# Altium PCB Board_Design.PcbDoc (part 1 of 3) (continued)
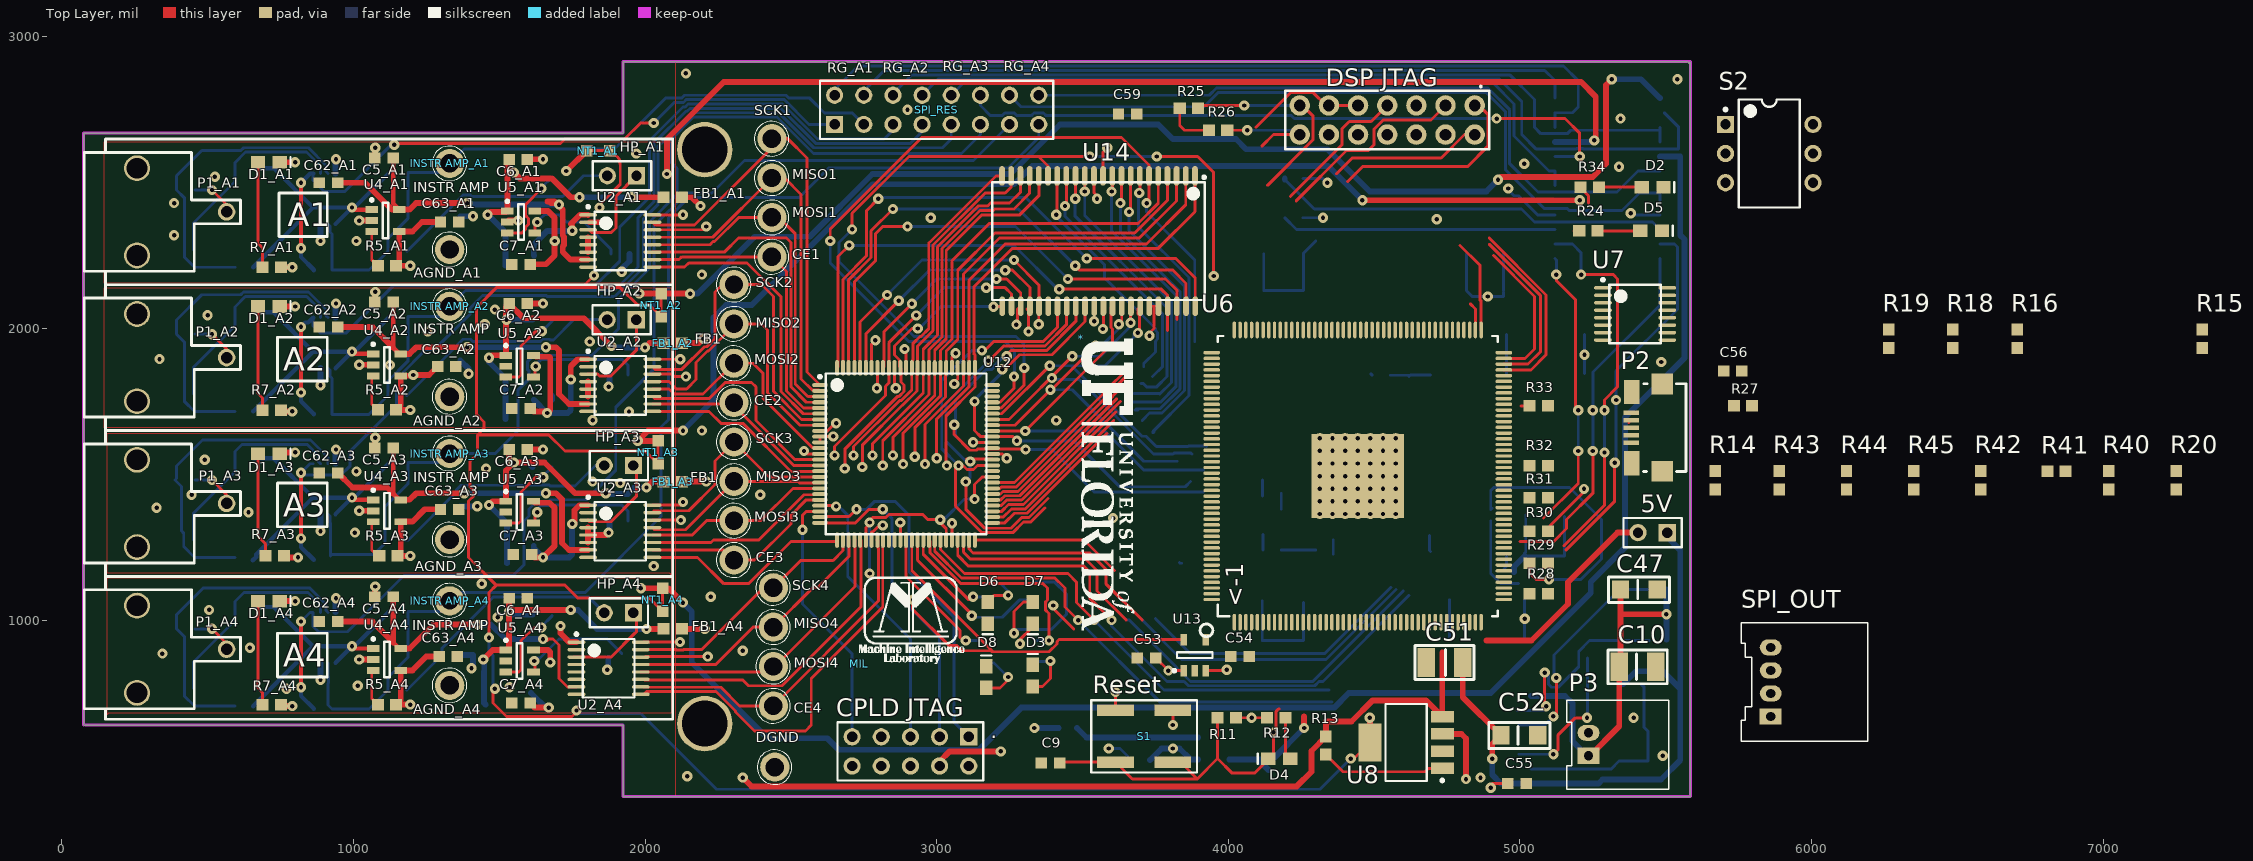
[diagram p0: Top Layer view]
## Components (designator, comment, footprint, x,y, rotation, side; value= is the part's Value field where it differs from the comment) (continued)
C61_A2 "Cap" CAPC0603 1485,1830 r180 bottom (schematic designator C61)
C61_A3 "Cap" CAPC0603 1495,1320 r180 bottom (schematic designator C61)
C61_A4 "Cap" CAPC0603 1480,825 r0 bottom (schematic designator C61)
C62_A1 "Cap" CAPC0603 915,2500 r180 top (schematic designator C62)
C62_A2 "Cap" CAPC0603 915,2005 r180 top (schematic designator C62)
C62_A3 "Cap" CAPC0603 915,1505 r180 top (schematic designator C62)
C62_A4 "Cap" CAPC0603 915,995 r180 top (schematic designator C62)
C63_A1 "Cap" CAPC0603 1330,2365 r0 top (schematic designator C63)
C63_A2 "Cap" CAPC0603 1320,1870 r0 top (schematic designator C63)
C63_A3 "Cap" CAPC0603 1330,1380 r0 top (schematic designator C63)
C63_A4 "Cap" CAPC0603 1325,875 r0 top (schematic designator C63)
CE1 "Test_Point" TP#1 2435,2245 r90 top
CE2 "Test_Point" TP#1 2305,1745 r90 top
CE3 "Test_Point" TP#1 2305,1205 r90 top
CE4 "Test_Point" TP#1 2440,705 r90 top
"CPLD JTAG" "Header 5X2" HDR2X5 3110,600 r180 top
D1_A1 "LED-RED" LED0805-RED 710,2570.21 r180 top (schematic designator D1)
D1_A2 "LED-RED" LED0805-RED 710,2075.73 r180 top (schematic designator D1)
D1_A3 "LED-RED" LED0805-RED 710,1570.21 r180 top (schematic designator D1)
D1_A4 "LED-RED" LED0805-RED 710,1065.21 r180 top (schematic designator D1)
D2 "LED-RED" LED0805-RED 5455,2485 r180 top
D3 "LED-RED" LED0805-RED 3330,810 r270 top
D4 "LED-RED" LED0805-RED 4175,525.21 r0 top
D5 "LED-RED" LED0805-RED 5450,2335 r180 top
D6 "LED-RED" LED0805-RED 3175,1025 r90 top
D7 "LED-RED" LED0805-RED 3330,1025 r90 top
D8 "LED-RED" LED0805-RED 3170,805 r270 top
DGND "Test_Point" TP#1 2445,495 r90 top
DNP_A1 "Res" RES0603 895,2200.21 r0 bottom (schematic designator DNP)
DNP_A2 "Res" RES0603 895,1705.73 r0 bottom (schematic designator DNP)
DNP_A3 "Res" RES0603 890,1220.21 r0 bottom (schematic designator DNP)
DNP_A4 "Res" RES0603 895,695.21 r0 bottom (schematic designator DNP)
"DSP JTAG" "JTAG HEADER" "JTAG HEADER - 14" 4845,2765 r180 top
FB1_A1 "FBead" RES0603 2095,2450 r180 top (schematic designator FB1)
FB1_A2 "FBead" RES0603 2095,1950 r180 top (schematic designator FB1)
FB1_A3 "FBead" RES0603 2095,1475 r180 top (schematic designator FB1)
FB1_A4 "FBead" RES0603 2095,970 r180 top (schematic designator FB1)
HP_A1 "Header 2" HDR1X2 1970.73,2523.9 r180 top (schematic designator HP)
HP_A2 "Header 2" HDR1X2 1970,2030.21 r180 top (schematic designator HP)
HP_A3 "Header 2" HDR1X2 1960,1530.21 r180 top (schematic designator HP)
HP_A4 "Header 2" HDR1X2 1960,1025.21 r180 top (schematic designator HP)
"INSTR AMP_A1" "Test_Point" TP#1 1330,2565.21 r90 top (schematic designator "INSTR AMP")
"INSTR AMP_A2" "Test_Point" TP#1 1330,2075.21 r90 top (schematic designator "INSTR AMP")
"INSTR AMP_A3" "Test_Point" TP#1 1330,1570.21 r90 top (schematic designator "INSTR AMP")
"INSTR AMP_A4" "Test_Point" TP#2 1330,1065.21 r90 top (schematic designator "INSTR AMP")
MIL "MIL LOGO" "MIL LOGO - 500" 2735,850 r0 top
MISO1 "Test_Point" TP#1 2435,2515 r90 top
MISO2 "Test_Point" TP#1 2305,2015 r90 top
MISO3 "Test_Point" TP#1 2305,1475 r90 top
MISO4 "Test_Point" TP#1 2440,975 r90 top
MOSI1 "Test_Point" TP#1 2435,2380 r90 top
MOSI2 "Test_Point" TP#1 2305,1880 r90 top
MOSI3 "Test_Point" TP#1 2305,1340 r90 top
MOSI4 "Test_Point" TP#1 2440,840 r90 top
NT1_A1 "NetTie" NT_5MIL 1840,2610 r0 top net-tie (schematic designator NT1)
NT1_A2 "NetTie" NT_5MIL 2055,2080.21 r270 top net-tie (schematic designator NT1)
NT1_A3 "NetTie" NT_5MIL 2045,1575.21 r270 top net-tie (schematic designator NT1)
NT1_A4 "NetTie" NT_5MIL 2060,1070.21 r270 top net-tie (schematic designator NT1)
P1_A1 "BNC" "BNC CONNECTOR" 565,2400.21 r0 top (schematic designator P1)
P1_A2 "BNC" "BNC CONNECTOR" 565,1900.21 r0 top (schematic designator P1)
P1_A3 "BNC" "BNC CONNECTOR" 565,1400.21 r0 top (schematic designator P1)
P1_A4 "BNC" "BNC CONNECTOR" 565,900.21 r0 top (schematic designator P1)
P2 "USB Micro" 10118192-0001LF 5360,1660 r90 top
P3 "2-pin Horz Sherlock" MOLEX-HDR-1X2-SHERLOCK-HORZ 5235,535 r270 top
R1_A1 "Res" RES0603 625,2550.21 r180 bottom (schematic designator R1)
R1_A2 "Res" RES0603 625,2055.73 r180 bottom (schematic designator R1)
R1_A3 "Res" RES0603 625,1545.21 r180 bottom (schematic designator R1)
R1_A4 "Res" RES0603 625,1045.21 r180 bottom (schematic designator R1)
R2_A1 "Res" RES0603 625,2210.21 r0 bottom (schematic designator R2)
R2_A2 "Res" RES0603 625,1715.73 r0 bottom (schematic designator R2)
R2_A3 "Res" RES0603 630,1215.21 r0 bottom (schematic designator R2)
R2_A4 "Res" RES0603 625,705.21 r0 bottom (schematic designator R2)
R3_A1 "Res" RES0603 1335,2385.21 r180 bottom (schematic designator R3)
R3_A2 "Res" RES0603 1335,1890.73 r180 bottom (schematic designator R3)
R3_A3 "Res" RES0603 1335,1390.21 r180 bottom (schematic designator R3)
R3_A4 "Res" RES0603 1335,880.21 r180 bottom (schematic designator R3)
R4_A1 "Res" RES0603 1155,2535.21 r0 bottom (schematic designator R4)
R4_A2 "Res" RES0603 1155,2040.73 r0 bottom (schematic designator R4)
R4_A3 "Res" RES0603 1155,1540.21 r0 bottom (schematic designator R4)
R4_A4 "Res" RES0603 1155,1030.21 r0 bottom (schematic designator R4)
R5_A1 "Res" RES0603 1115,2215.21 r0 top (schematic designator R5)
R5_A2 "Res" RES0603 1115,1720.73 r0 top (schematic designator R5)
R5_A3 "Res" RES0603 1120,1220.21 r0 top (schematic designator R5)
R5_A4 "Res" RES0603 1115,710.21 r0 top (schematic designator R5)
R6 "Res" RES0603 4225,2380 r0 bottom
R7_A1 "Res" RES0603 720,2210.21 r180 top (schematic designator R7)
R7_A2 "Res" RES0603 720,1720.21 r180 top (schematic designator R7)
R7_A3 "Res" RES0603 730,1220.21 r180 top (schematic designator R7)
R7_A4 "Res" RES0603 720,709.7 r180 top (schematic designator R7)
R8_A1 "Res" RES0603 1650,2525 r180 bottom (schematic designator R8)
R8_A2 "Res" RES0603 1645,2030.21 r180 bottom (schematic designator R8)
R8_A3 "Res" RES0603 1645,1525.21 r180 bottom (schematic designator R8)
R8_A4 "Res" RES0603 1645,1019.7 r180 bottom (schematic designator R8)
R9 "Res" RES0603 4225,2515 r180 bottom
R10 "Res" RES0603 5470.98,1105 r180 bottom
R11 "Res" RES0603 3995,665.21 r180 top
R12 "Res" RES0603 4165,665.21 r0 top
R13 "Res" RES0603 4335,570 r270 top
R14 "Res" RES0603 5670,1480 r90 top
R15 "Res" RES0603 7340,1965 r90 top
R16 "Res" RES0603 6705,1965 r90 top
R17 "Res" RES0603 5475,930 r180 bottom
R18 "Res" RES0603 6485,1965 r90 top
R19 "Res" RES0603 6265,1965 r90 top
R20 "Res" RES0603 7250,1480 r90 top
R21 "Res" RES0603 5310,1105 r180 bottom
R22 "Res" RES0603 5340,485 r90 bottom
R23 "Res" RES0603 5470,620 r0 bottom
R24 "Res" RES0603 5235,2335 r180 top
R25 "Res" RES0603 3865,2755 r0 top
R26 "Res" RES0603 3965,2680 r0 top
R27 "Res" RES0603 5765,1735 r180 top
R28 "Res" RES0603 5065,1090 r180 top
R29 "Res" RES0603 5065,1195 r180 top
R30 "Res" RES0603 5065,1305 r180 top
R31 "Res" RES0603 5065,1420 r180 top
R32 "Res" RES0603 5065,1530 r180 top
R33 "Res" RES0603 5065,1735 r180 top
R34 "Res" RES0603 5240,2485 r180 top
R35 "Res" RES0603 3330,890 r270 bottom
R36 "Res" RES0603 3175,1095 r90 bottom
R37 "Res" RES0603 3330,1100 r90 bottom
R38 "Res" RES0603 3170,885 r90 bottom
R39 "Res" RES0603 3450,630 r0 bottom
R40 "Res" RES0603 7020,1480 r90 top
R41 "Res" RES0603 6840,1510 r0 top
R42 "Res" RES0603 6580,1480 r90 top
R43 "Res" RES0603 5890,1480 r90 top
R44 "Res" RES0603 6120,1480 r90 top
R45 "Res" RES0603 6350,1480 r90 top
S1 "PBSW" PBSW 3810,690.21 r180 top
S2 "SW DIP-3" DIP-6 5855,2600 r0 top
SCK1 "Test_Point" TP#1 2435,2650 r90 top
SCK2 "Test_Point" TP#1 2305,2150 r90 top
SCK3 "Test_Point" TP#1 2305,1610 r90 top
SCK4 "Test_Point" TP#1 2440,1110 r90 top
SPI_OUT "MOLEX-HDR-1x4-SHERLOCK_RA" MOLEX-HDR-1X4-SHERLOCK-RA 5860,670 r270 top
SPI_RES "Header 8X2" HDR2X8 2650,2700 r0 top
U1_A1 "Inst. Amp" TSSOP-8n 900,2445.21 r270 bottom (schematic designator U1)
U1_A2 "Inst. Amp" TSSOP-8n 900,1950.21 r270 bottom (schematic designator U1)
U1_A3 "Inst. Amp" TSSOP-8n 900,1449.7 r270 bottom (schematic designator U1)
U1_A4 "Inst. Amp" TSSOP-8n 900,939.7 r270 bottom (schematic designator U1)
U2_A1 "ADC 16bit 500k" TSSOP-16pin 1915,2300.21 r0 top (schematic designator U2)
U2_A2 "ADC 16bit 500k" TSSOP-16pin 1915,1805.21 r0 top (schematic designator U2)
U2_A3 "ADC 16bit 500k" TSSOP-16pin 1915,1304.7 r0 top (schematic designator U2)
U2_A4 "ADC 16bit 500k" TSSOP-16pin 1875,835 r0 top (schematic designator U2)
U3 "AD8403" SOIC-24n 5300,2515 r180 bottom
U4_A1 "REF2041" SOT23-5 1110,2370.21 r0 top (schematic designator U4)
U4_A2 "REF2041" SOT23-5 1115,1875.21 r0 top (schematic designator U4)
U4_A3 "REF2041" SOT23-5 1115,1374.7 r0 top (schematic designator U4)
U4_A4 "REF2041" SOT23-5 1115,864.7 r0 top (schematic designator U4)
U5_A1 "LDO 4.2V" SOT23-5 1575,2365.21 r0 top (schematic designator U5)
U5_A2 "LDO 4.2V" sot23-5 1570,1870.73 r0 top (schematic designator U5)
U5_A3 "LDO 4.2V" sot23-5 1570,1370.21 r0 top (schematic designator U5)
U5_A4 "LDO 4.2V" sot23-5 1570,860.21 r0 top (schematic designator U5)
U6 "F28377S" Tqfp-176 4445,1495 r90 top
U7 "FT121T-R" TSSOP-16pin 5395,2050 r0 top
U8 "3.3V LDO REG" SOT223-8N 4610,580.21 r180 top
U9 "LMZ14201h" TO-PMOD-7 4710,590 r270 bottom
U12 "CPLD" TQFP-100 2895,1570 r0 top
U13 "1.8V LDO" SOT23-5n 3885,880 r90 top
U14 "4MB SRAM" TSOP-44 3555,2300 r270 top
U15 "1.2V LDO" sot23-5n 3950,560 r0 bottom

## Footprints (in the part's own frame and the unit in brackets; to place one, negate y for a bottom-side part, rotate by r counter-clockwise, add the part's x,y. Pads: shape width x height; smd on the part's side, far side on the other; paste and mask are expansions set on the pad)
10118192-0001LF [mm] "USB Micro-B Recepticle"
  rect 0.4x1.35 smd: 1(-1.3,-0.533) 2(-0.65,-0.533) 3(0,-0.533) 4(0.65,-0.533) 5(1.3,-0.533)
  rect 1.8x1.9 smd: SHD(-3.8,-3.248) SHD(3.8,-3.248)
  rect 2.1x1.35 smd: SHD(-3.1,-0.584) SHD(3.1,-0.598)
  silkscreen extent -3.83,-5.33 3.83,-1.63, body extent -3.96,-5.98 3.96,-0.32, height 3.09
"BNC CONNECTOR" [mm] "For WM5524-ND"
  round 1.524 hole 1: 1(0,0)
  round 2.25 hole 1.8: 2(-7.8,-3.8) 3(-7.8,3.8)
  silkscreen extent -12.4,-5.18 1.22,5.18
CAP1206 [mm]
  rect 1.5x1.6 smd: 1(0,0) 2(-3.2,0)
  silkscreen extent -4.27,-1.1 1.06,1.13, body extent -3.2,-0.9 0.02,0.9, height 1.6
CAP1210 [mm]
  rect 1.5x2.5 smd: 1(-0.02,0) 2(-3.2,0)
  silkscreen extent -4.2,-1.48 0.97,1.48, body extent -3.22,-1.25 0,1.26, height 2.5
CAPC0603 [mm] "Chip Capacitor, 2-Leads, Body 1.60x0.80mm, IPC Medium Density"
  rect 1x0.95 smd: 1(-0.8,0) 2(0.8,0)
  body extent -0.88,-0.48 0.87,0.48, height 0.8
DIP-6 [mm] "DIP; 6 Leads; Row Spacing 7.62 mm; Pitch 2.54 mm"
  rect 1.5x1.5 hole 0.9: 1(-3.81,2.54)
  round 1.5 hole 0.9: 2(-3.81,0) 3(-3.81,-2.54) 4(3.81,-2.54) 5(3.81,0) 6(3.81,2.54)
  silkscreen extent -3.93,-4.7 2.65,4.7, body extent -3.55,-4.7 3.55,4.7, height 5.46
HDR1X2 [mm] "Connector; Header; 2 Position"
  rect 1.5x1.5 hole 0.9: 1(0,0)
  round 1.5 hole 0.9: 2(2.54,0)
  silkscreen extent -1.27,-1.27 3.81,1.27
HDR2X5 [mm] "Connector; Header; 5x2 Position"
  rect 1.5x1.5 hole 0.9: 1(0,0)
  round 1.5 hole 0.9: 2(0,2.54) 3(2.54,0) 4(2.54,2.54) 5(5.08,0) 6(5.08,2.54) 7(7.62,0) 8(7.62,2.54) 9(10.16,0) 10(10.16,2.54)
  silkscreen extent -1.27,-1.27 11.43,3.81
HDR2X8 [mm] "Connector; Header; 8x2 Position"
  rect 1.5x1.5 hole 0.9: 1(0,0)
  round 1.5 hole 0.9: 2(0,2.54) 3(2.54,0) 4(2.54,2.54) 5(5.08,0) 6(5.08,2.54) 7(7.62,0) 8(7.62,2.54) 9(10.16,0) 10(10.16,2.54) 11(12.7,0) 12(12.7,2.54) 13(15.24,0) 14(15.24,2.54) 15(17.78,0) 16(17.78,2.54)
  silkscreen extent -1.27,-1.27 19.05,3.81
"JTAG HEADER - 14" [mil]
  round 70 hole 40: 1(0,0) 2(0,100) 3(100,0) 4(100,100) 5(200,0) 6(200,100) 7(300,0) 8(300,100) 9(400,0) 10(400,100) 11(500,0) 12(500,100) 13(600,0) 14(600,100)
  silkscreen extent -50,-66 650,150, body extent -50,-50 650,150, height 234
LED0805-RED [mm] "Molded Diode, 2-Leads, Body 2.0x1.3mm, IPC Medium Density"
  rect 1.25x1.1 smd: 1(-0.95,0) 2(0.95,0)
  silkscreen extent -1.88,-0.45 -1.88,0.45, body extent -1.01,-0.62 1.01,0.63, height 1.1
"MIL LOGO - 500" [mil]
  silkscreen extent 0,0 359,299
MOLEX-HDR-1X2-SHERLOCK-HORZ [mm]
  rect 1.397x1.905 hole 0.8: 1(0,0)
  oval 1.397x1.905 hole 0.8: 2(-2,0)
  silkscreen extent -4.83,-1.91 2.92,6.98, body extent -4.83,-1.91 2.87,8.59, height 5.54
MOLEX-HDR-1X4-SHERLOCK-RA [mm]
  rect 1.397x1.905 hole 0.8: 1(0,0)
  oval 1.397x1.905 hole 0.8: 2(-2,0) 3(-4,0) 4(-6,0)
  silkscreen extent -8.15,-2.55 2.15,8.46, body extent -8.17,-1.98 2.13,8.52, height 5.54
NT_5MIL [mm] "Thin Net Tie"
  rect 1x1 smd paste+0 mask+0: 1(-1,0) 2(1,0)
  Top Layer lines w0.254: -1,0 1,0
PBSW [mm]
  rect 3.2x1 smd: 1(0,0) 2(5,0) 3(5,4.5) 4(0,4.5)
  silkscreen extent -2.1,-0.9 7.1,5.4, body extent -2,-0.75 7,5.25, height 5
RES0603 [mm] "Chip Resistor, 2-Leads, Body 1.60x0.80mm, IPC Medium Density"
  rect 1.05x1 smd: 1(-0.8,0) 2(0.8,0)
  body extent -0.88,-0.48 0.87,0.47, height 0.8
SOIC-24n [mm]
  oval 2.3x0.6 smd: 1(-4.575,6.985) 2(-4.575,5.715) 3(-4.575,4.445) 4(-4.575,3.175) 5(-4.575,1.905) 6(-4.575,0.635) 7(-4.575,-0.635) 8(-4.575,-1.905) 9(-4.575,-3.175) 10(-4.575,-4.445) 11(-4.575,-5.715) 12(-4.575,-6.985) 13(4.575,-6.985) 14(4.575,-5.715) 15(4.575,-4.445) 16(4.575,-3.175) 17(4.575,-1.905) 18(4.575,-0.635) 19(4.575,0.635) 20(4.575,1.905) 21(4.575,3.175) 22(4.575,4.445) 23(4.575,5.715) 24(4.575,6.985)
  silkscreen extent -4.7,-7.8 3.8,7.96, body extent -3.8,-7.8 3.8,7.8, height 1.2
SOT23-5 [mm] "Used for LP2992"
  rect 1.1x0.6 smd: 1(-1.2,0.95) 2(-1.2,0) 3(-1.2,-0.95) 4(1.2,-0.95) 5(1.2,0.95)
  silkscreen extent -1.32,-1.55 0.25,1.92, body extent -0.87,-1.52 0.87,1.53, height 0.25
sot23-5 [mm] "Used for LP2992"
  rect 1.1x0.6 smd: 1(-1.2,0.95) 2(-1.2,0) 3(-1.2,-0.95) 4(1.2,-0.95) 5(1.2,0.95)
  silkscreen extent -1.32,-1.55 0.25,1.92, body extent -0.87,-1.52 0.87,1.53, height 0.25
SOT23-5n [mm] "For LP5907"
  rect 1x0.55 smd: 1(-1.35,0.95) 2(-1.35,0) 3(-1.35,-0.95) 4(1.35,-0.95) 5(1.35,0.95)
  silkscreen extent -1.47,-1.55 0.25,1.9, body extent -0.87,-1.52 0.87,1.53, height 1.45
sot23-5n [mm] "For LP5907"
  rect 1x0.55 smd: 1(-1.35,0.95) 2(-1.35,0) 3(-1.35,-0.95) 4(1.35,-0.95) 5(1.35,0.95)
  silkscreen extent -1.47,-1.55 0.25,1.9, body extent -0.87,-1.52 0.87,1.53, height 1.45
SOT223-8N [mm] "3.3V LDO"
  rect 2x1 smd: 1(-3.15,2.25) 2(-3.15,0.75) 3(-3.15,-0.75) 4(-3.15,-2.25)
  rect 2x3.3 smd: 5(3.15,0)
  silkscreen extent -3.27,-3.35 1.8,3.42, body extent -1.85,-3.35 1.85,3.35, height 1.8
TO-PMOD-7 [mm] "For LMZ14201h"
  rect 0.89x3.06 smd: 1(-3.81,-7.305) 2(-2.54,-7.305) 3(-1.27,-7.305) 4(0,-7.305) 5(1.27,-7.305) 6(2.54,-7.305) 7(3.81,-7.305)
  rect 5.35x8.54 smd: 8(0,0)
  body extent -4.83,-5.74 4.9,4.41, height 5
TP#1 [mm]
  round 2.54 hole 1.6: 1(0.025,0)
  silkscreen extent -1.49,-1.49 1.54,1.53, body extent -1.59,-1.59 1.59,1.59, height 5.58
TP#2 [mm]
  round 2.54 hole 1.5: 1(0.025,0)
  silkscreen extent -1.49,-1.49 1.54,1.53, body extent -1.59,-1.59 1.59,1.59, height 5.58
TQFP-100 [mm] "Used For Altera Max II CPLD"
  oval 1.35x0.35 smd: 1(-7.5,6) 2(-7.5,5.5) 3(-7.5,5) 4(-7.5,4.5) 5(-7.5,4) 6(-7.5,3.5) 7(-7.5,3) 8(-7.5,2.5) 9(-7.5,2) 10(-7.5,1.5) 11(-7.5,1) 12(-7.5,0.5) 13(-7.5,0) 14(-7.5,-0.5) 15(-7.5,-1) 16(-7.5,-1.5) 17(-7.5,-2) 18(-7.5,-2.5) 19(-7.5,-3) 20(-7.5,-3.5) 21(-7.5,-4) 22(-7.5,-4.5) 23(-7.5,-5) 24(-7.5,-5.5) 25(-7.5,-6) 51(7.5,-6) 52(7.5,-5.5) 53(7.5,-5) 54(7.5,-4.5) 55(7.5,-4) 56(7.5,-3.5) 57(7.5,-3) 58(7.5,-2.5) 59(7.5,-2) 60(7.5,-1.5) 61(7.5,-1) 62(7.5,-0.5) 63(7.5,0) 64(7.5,0.5) 65(7.5,1) 66(7.5,1.5) 67(7.5,2) 68(7.5,2.5) 69(7.5,3) 70(7.5,3.5) 71(7.5,4) 72(7.5,4.5) 73(7.5,5) 74(7.5,5.5) 75(7.5,6)
  oval 0.35x1.35 smd: 26(-6,-7.5) 27(-5.5,-7.5) 28(-5,-7.5) 29(-4.5,-7.5) 30(-4,-7.5) 31(-3.5,-7.5) 32(-3,-7.5) 33(-2.5,-7.5) 34(-2,-7.5) 35(-1.5,-7.5) 36(-1,-7.5) 37(-0.5,-7.5) 38(0,-7.5) 39(0.5,-7.5) 40(1,-7.5) 41(1.5,-7.5) 42(2,-7.5) 43(2.5,-7.5) 44(3,-7.5) 45(3.5,-7.5) 46(4,-7.5) 47(4.5,-7.5) 48(5,-7.5) 49(5.5,-7.5) 50(6,-7.5) 76(6,7.5) 77(5.5,7.5) 78(5,7.5) 79(4.5,7.5) 80(4,7.5) 81(3.5,7.5) 82(3,7.5) 83(2.5,7.5) 84(2,7.5) 85(1.5,7.5) 86(1,7.5) 87(0.5,7.5) 88(0,7.5) 89(-0.5,7.5) 90(-1,7.5) 91(-1.5,7.5) 92(-2,7.5) 93(-2.5,7.5) 94(-3,7.5) 95(-3.5,7.5) 96(-4,7.5) 97(-4.5,7.5) 98(-5,7.5) 99(-5.5,7.5) 100(-6,7.5)
  silkscreen extent -7.62,-7 7,7, body extent -7,-7 7,7, height 1.2
Tqfp-176 [mm] "For TMS320F28377sPTP"
  oval 1.45x0.3 smd paste+0 mask+0.051: 1(-12.75,10.775) 2(-12.75,10.275) 3(-12.75,9.775) 4(-12.75,9.275) 5(-12.75,8.775) 6(-12.75,8.275) 7(-12.75,7.775) 8(-12.75,7.275) 9(-12.75,6.775) 10(-12.75,6.275) 11(-12.75,5.775) 12(-12.75,5.275) 13(-12.75,4.775) 14(-12.75,4.275) 15(-12.75,3.775) 16(-12.75,3.275) 17(-12.75,2.775) 18(-12.75,2.275) 19(-12.75,1.775) 20(-12.75,1.275) 21(-12.75,0.775) 22(-12.75,0.275) 23(-12.75,-0.225) 24(-12.75,-0.725) 25(-12.75,-1.225) 26(-12.75,-1.725) 27(-12.75,-2.225) 28(-12.75,-2.725) 29(-12.75,-3.225) 30(-12.75,-3.725) 31(-12.75,-4.225) 32(-12.75,-4.725) 33(-12.75,-5.225) 34(-12.75,-5.725) 35(-12.75,-6.225) 36(-12.75,-6.725) 37(-12.75,-7.225) 38(-12.75,-7.725) 39(-12.75,-8.225) 40(-12.75,-8.725) 41(-12.75,-9.225) 42(-12.75,-9.725) 43(-12.75,-10.225) 44(-12.75,-10.725) 89(12.7,-10.725) 90(12.7,-10.225) 91(12.7,-9.725) 92(12.7,-9.225) 93(12.7,-8.725) 94(12.7,-8.225) 95(12.7,-7.725) 96(12.7,-7.225) 97(12.7,-6.725) 98(12.7,-6.225) 99(12.7,-5.725) 100(12.7,-5.225) 101(12.7,-4.725) 102(12.7,-4.225) 103(12.7,-3.725) 104(12.7,-3.225) 105(12.7,-2.725) 106(12.7,-2.225) 107(12.7,-1.725) 108(12.7,-1.225) 109(12.7,-0.725) 110(12.7,-0.225) 111(12.7,0.275) 112(12.7,0.775) 113(12.7,1.275) 114(12.7,1.775) 115(12.7,2.275) 116(12.7,2.775) 117(12.7,3.275) 118(12.7,3.775) 119(12.7,4.275) 120(12.7,4.775) 121(12.7,5.275) 122(12.7,5.775) 123(12.7,6.275) 124(12.7,6.775) 125(12.7,7.275) 126(12.7,7.775) 127(12.7,8.275) 128(12.7,8.775) 129(12.7,9.275) 130(12.7,9.775) 131(12.7,10.275) 132(12.7,10.775)
  oval 0.3x1.45 smd paste+0 mask+0.051: 45(-10.775,-12.7) 46(-10.275,-12.7) 47(-9.775,-12.7) 48(-9.275,-12.7) 49(-8.775,-12.7) 50(-8.275,-12.7) 51(-7.775,-12.7) 52(-7.275,-12.7) 53(-6.775,-12.7) 54(-6.275,-12.7) 55(-5.775,-12.7) 56(-5.275,-12.7) 57(-4.775,-12.7) 58(-4.275,-12.7) 59(-3.775,-12.7) 60(-3.275,-12.7) 61(-2.775,-12.7) 62(-2.275,-12.7) 63(-1.775,-12.7) 64(-1.275,-12.7) 65(-0.775,-12.7) 66(-0.275,-12.7) 67(0.225,-12.7) 68(0.725,-12.7) 69(1.225,-12.7) 70(1.725,-12.7) 71(2.225,-12.7) 72(2.725,-12.7) 73(3.225,-12.7) 74(3.725,-12.7) 75(4.225,-12.7) 76(4.725,-12.7) 77(5.225,-12.7) 78(5.725,-12.7) 79(6.225,-12.7) 80(6.725,-12.7) 81(7.225,-12.7) 82(7.725,-12.7) 83(8.225,-12.7) 84(8.725,-12.7) 85(9.225,-12.7) 86(9.725,-12.7) 87(10.225,-12.7) 88(10.725,-12.7) 133(10.725,12.75) 134(10.225,12.75) 135(9.725,12.75) 136(9.225,12.75) 137(8.725,12.75) 138(8.225,12.75) 139(7.725,12.75) 140(7.225,12.75) 141(6.725,12.75) 142(6.225,12.75) 143(5.725,12.75) 144(5.225,12.75) 145(4.725,12.75) 146(4.225,12.75) 147(3.725,12.75) 148(3.225,12.75) 149(2.725,12.75) 150(2.225,12.75) 151(1.725,12.75) 152(1.225,12.75) 153(0.725,12.75) 154(0.225,12.75) 155(-0.275,12.75) 156(-0.775,12.75) 157(-1.275,12.75) 158(-1.775,12.75) 159(-2.275,12.75) 160(-2.775,12.75) 161(-3.275,12.75) 162(-3.775,12.75) 163(-4.275,12.75) 164(-4.775,12.75) 165(-5.275,12.75) 166(-5.775,12.75) 167(-6.275,12.75) 168(-6.775,12.75) 169(-7.275,12.75) 170(-7.775,12.75) 171(-8.275,12.75) 172(-8.775,12.75) 173(-9.275,12.75) 174(-9.775,12.75) 175(-10.275,12.75) 176(-10.775,12.75)
  rect 7.33x8.07 smd paste+0 mask+0.051: 177(-0.025,0.025)
  round 0.889 hole 0.381 mask+0.051: V(-3.325,-3.275) V(-3.325,-2.175) V(-3.325,-1.075) V(-3.325,0.025) V(-3.325,1.125) V(-3.325,2.225) V(-3.325,3.325) V(-2.225,3.325) V(-2.225,-2.175) V(-2.225,-1.075) V(-2.225,0.025) V(-2.225,1.125) V(-2.225,2.225) V(-2.225,-3.275) V(-1.125,2.225) V(-1.125,3.325) V(-1.125,-1.075) V(-1.125,0.025) V(-1.125,1.125) V(-1.125,-3.275) V(-1.125,-2.175) V(-0.025,3.325) V(-0.025,2.225) V(-0.025,1.125) V(-0.025,0.025) V(-0.025,-1.075) V(-0.025,-2.175) V(-0.025,-3.275) V(1.075,2.225) V(1.075,3.325) V(1.075,-1.075) V(1.075,0.025) V(1.075,1.125) V(1.075,-3.275) V(1.075,-2.175) V(2.175,3.325) V(2.175,-2.175) V(2.175,-1.075) V(2.175,0.025) V(2.175,1.125) V(2.175,2.225) V(2.175,-3.275) V(3.275,-3.275) V(3.275,-2.175) V(3.275,-1.075) V(3.275,0.025) V(3.275,1.125) V(3.275,2.225) V(3.275,3.325)
  silkscreen extent -14.02,-12.17 12.17,13.76, body extent -12.37,-12.27 12.19,12.34, height 1.5
TSOP-44 [mm] "For Cypress 4MB SRAM"
  oval 1.7x0.5 smd: 1(-5.677,8.4) 2(-5.677,7.6) 3(-5.677,6.8) 4(-5.677,6) 5(-5.677,5.2) 6(-5.677,4.4) 7(-5.677,3.6) 8(-5.677,2.8) 9(-5.677,2) 10(-5.677,1.2) 11(-5.677,0.4) 12(-5.677,-0.4) 13(-5.677,-1.2) 14(-5.677,-2) 15(-5.677,-2.8) 16(-5.677,-3.6) 17(-5.677,-4.4) 18(-5.677,-5.2) 19(-5.677,-6) 20(-5.677,-6.8) 21(-5.677,-7.6) 22(-5.677,-8.4) 23(5.677,-8.375) 24(5.677,-7.575) 25(5.677,-6.775) 26(5.677,-5.975) 27(5.677,-5.175) 28(5.677,-4.375) 29(5.677,-3.575) 30(5.677,-2.775) 31(5.677,-1.975) 32(5.677,-1.175) 33(5.677,-0.375) 34(5.677,0.425) 35(5.677,1.225) 36(5.677,2.025) 37(5.677,2.825) 38(5.677,3.625) 39(5.677,4.425) 40(5.677,5.225) 41(5.677,6.025) 42(5.677,6.825) 43(5.677,7.625) 44(5.677,8.425)
  silkscreen extent -5.67,-9.25 5.13,9.33, body extent -5.3,-9.25 5.3,9.25, height 1.2
TSSOP-8n [mm]
  oval 1.45x0.45 smd: 1(-2.2,0.975) 2(-2.2,0.325) 3(-2.2,-0.325) 4(-2.2,-0.975) 5(2.2,-0.975) 6(2.2,-0.325) 7(2.2,0.325) 8(2.2,0.975)
  silkscreen extent -2.32,-1.55 1.55,1.87, body extent -1.55,-1.55 1.55,1.55, height 1.1
TSSOP-16pin [mm] "For 296-19764-ND"
  oval 1.55x0.3 smd: 1(-2.8,2.275) 2(-2.8,1.625) 3(-2.8,0.975) 4(-2.8,0.325) 5(-2.8,-0.325) 6(-2.8,-0.975) 7(-2.8,-1.625) 8(-2.8,-2.275) 9(2.8,-2.275) 10(2.8,-1.625) 11(2.8,-0.975) 12(2.8,-0.325) 13(2.8,0.325) 14(2.8,0.975) 15(2.8,1.625) 16(2.8,2.275)
  silkscreen extent -2.92,-2.55 2.25,3.1, body extent -2.25,-2.55 2.25,2.55, height 1.2
"UF LOGO-1000" [mil]
  silkscreen extent 0,0 1000,183

## Part data
5V HP_A1 HP_A2 HP_A3 HP_A4: "Header, 2-Pin"
AGND_A1 AGND_A2 AGND_A3 AGND_A4 CE1 CE2 CE3 CE4 DGND "INSTR AMP_A1" "INSTR AMP_A2" "INSTR AMP_A3" "INSTR AMP_A4" MISO1 MISO2 MISO3 MISO4 MOSI1 MOSI2 MOSI3 MOSI4 SCK1 SCK2 SCK3 SCK4: "TEST POINT PC COMPACT .063\"D"
C10 C51: "CAP CER 10UF 50V 20% X5R 1210"
C47 C52 C55 C56 C57 C58 C59: "CAP CER 1UF 50V 10% X7R 1206"
"CPLD JTAG": "Header, 5-Pin, Dual row"
D1_A1 D1_A2 D1_A3 D1_A4 D2 D3 D4 D5 D6 D7 D8: "Light Emitting Diode - RED"
"DSP JTAG": library part JTAG-TI_14, "14 Pin JTAG Header"
FB1_A1 FB1_A2 FB1_A3 FB1_A4: "Ferrite Bead"
NT1_A1 NT1_A2 NT1_A3 NT1_A4: "Ties two nets together"
P1_A1 P1_A2 P1_A3 P1_A4: library part "BNC Connector", "CONN BNC JACK R/A 50 OHM PCB"
P2: "USB Mini B Metal Shield SMT"
P3: library part MOLEX-HDR-1x2-SHERLOCK_RA, "Header, Molex, 2mm Pitch Sherlock Header, Single Row, Horizontal, 2 Circuits, Length 3.3mm,  0353630260"
S1: library part SW-PB, "Push Button Switch"
S2: "DIP Switch, 3 Position, SPST"
SPI_OUT: "Header, Molex, 2mm Pitch Sherlock Header, Single Row, Horizontal, 4 Circuits, Length 3.3mm"
SPI_RES: "Header, 8-Pin, Dual row"
U1_A1 U1_A2 U1_A3 U1_A4: library part INA331, "IC OPAMP INSTR 2MHZ RRO 8VSSOP"
U2_A1 U2_A2 U2_A3 U2_A4: "IC ADC 16BIT 500KSPS 16-TSSOP"
U3: "IC POT DGTL 8BIT 100K 4CH 24SOIC"
U4_A1 U4_A2 U4_A3 U4_A4: "IC VREF SERIES 2.05V/4.096V 5SOT"
U5_A1 U5_A2 U5_A3 U5_A4: library part "LDO 4.2V 200mA", "IC REG LDO 4.2V 0.2A 5SOT"
U6: library part TMS320F28377SPTP, "IC MCU 32BIT 1024KB 176LQFP"
U7: "IC USB CONTROLLER SPI 16-TSSOP"
U8: library part LP38691, "IC REG LDO 3.3V 0.5A SOT223-5"
U9: "IC BUCK SYNC ADJ 1A TO-PMOD-7"
U12: library part EPM240GT100I5N, "IC CPLD 192MC 4.7NS 100TQFP"
U13: library part LP5907, "IC REG LDO 1.8V 0.25A SOT23-5"
U14: library part CY7C1041CV33-8ZSXI, "IC SRAM 4MBIT 8NS 44TSOP"
U15: library part LP3990MF-1.2, "IC REG LDO 1.2V 0.15A SOT23-5"

## Free pads (board coordinates)
  round 190 hole 157.48: 0(2204.72,645) 0(2204.72,2613.5)

## Via types
v1: diameter 35, hole 15, Top Layer to Bottom Layer, tented both sides, 339 vias
v2: diameter 35, hole 15, Top Layer to Bottom Layer, tented top, 1 vias

## Nets (pads, with @x,y where several pads share a name; then routed paths per layer and width w, separated by ;. In a path a pad name is that pad's centre, name@x,y a point inside that pad or via, vN(x,y) a via of type N, cw(c..) or ccw(c..) an arc to the next point about the centre after c; other vN are vias at no path point)
1: S1.2 | length 62.9
  Top Layer w10: S1.2@3613.15,690.21 v1(3613.15,753.15)
1.2VD: C11.1 C12.1 C13.1 C14.1 C15.1 C16.1 C17.1 C18.1 C19.1 C20.1 C21.1 C22.1 C58.1 U6.16 U6.21 U6.61 U6.76 U6.117 U6.126 U6.137 U6.153 U6.158 U6.169 U15.5 | length 558.2
  Top Layer w20: v1(4260,630) 4260,670
  Bottom Layer w10: C19.1@4117.01,1425.43 4117.01,1480 ; C20.1@4118.5,1240.21 4118.5,1293.72 ; C21.1@4360,1226.5 4360,1275 ; C12.1@4488.5,1844.79 C12.1@4493.5,1839.79
  Bottom Layer w20: U15.5@4003.15,522.6 4100.91,522.6 ; C58.1@4138.5,485 4100.91,522.6 ; v1(4260,630) 4152.6,522.6 4100.91,522.6
1.8VD: C54.1 U12.13 U12.39 U12.63 U12.88 U13.5 | length 3655.7
  Top Layer w10: v1(2545,1580) 2555,1570 U12.13@2599.72,1570 ; v1(2890,1930) 2895,1925 U12.88@2895,1865.28 ; U12.39@2914.68,1274.72 2914.68,1170.32 3190,895 3086.11,895 3067.5,913.61 3041.39,913.61 2917.5,1037.5 v1@2917.5,1067.5 ; 3190,891.72 3385.61,891.72 3412.5,918.61 3412.5,925.68 3419.97,933.15 U13.5@3847.6,933.15 ; U12.63@3190.28,1570 3225,1570 v1(3240,1555)
  Power w20: v1(2890,1930) 2887.5,1927.5 2797.5,1927.5 2545,1675 v1(2545,1580) ; v1@2920,1065 2545,1440 v1(2545,1580) ; v1(3240,1555) 3150,1555 3127.5,1577.5 3032.5,1577.5 3010,1600 2660.96,1600 2658.46,1597.5 2631.54,1597.5 2629.04,1600 2565,1600 v1(2545,1580)
  other v1: 2920,1070
2.048V_A1: R1_A1.1 R2_A1.2 R4_A1.1 U1_A1.5 U4_A1.1 | length 1013.5
  Top Layer w15: v1(995,2415.21) 1002.6,2407.62 U4_A1.1@1062.76,2407.62
  Bottom Layer w15: R2_A1.2@656.5,2210.21 861.5,2415.21 ; R1_A1.1@656.5,2550.21 726.5,2550.21 861.5,2415.21 ; U1_A1.5@938.39,2358.6 v1(995,2415.21) ; R4_A1.1@1123.5,2535.21 1003.5,2415.21 v1(995,2415.21) ; 861.5,2415.21 v1(995,2415.21)